# KiCad board Scan_Head_Set-Relay_board_19.01.2023_Comp.kicad_pcb (continued)
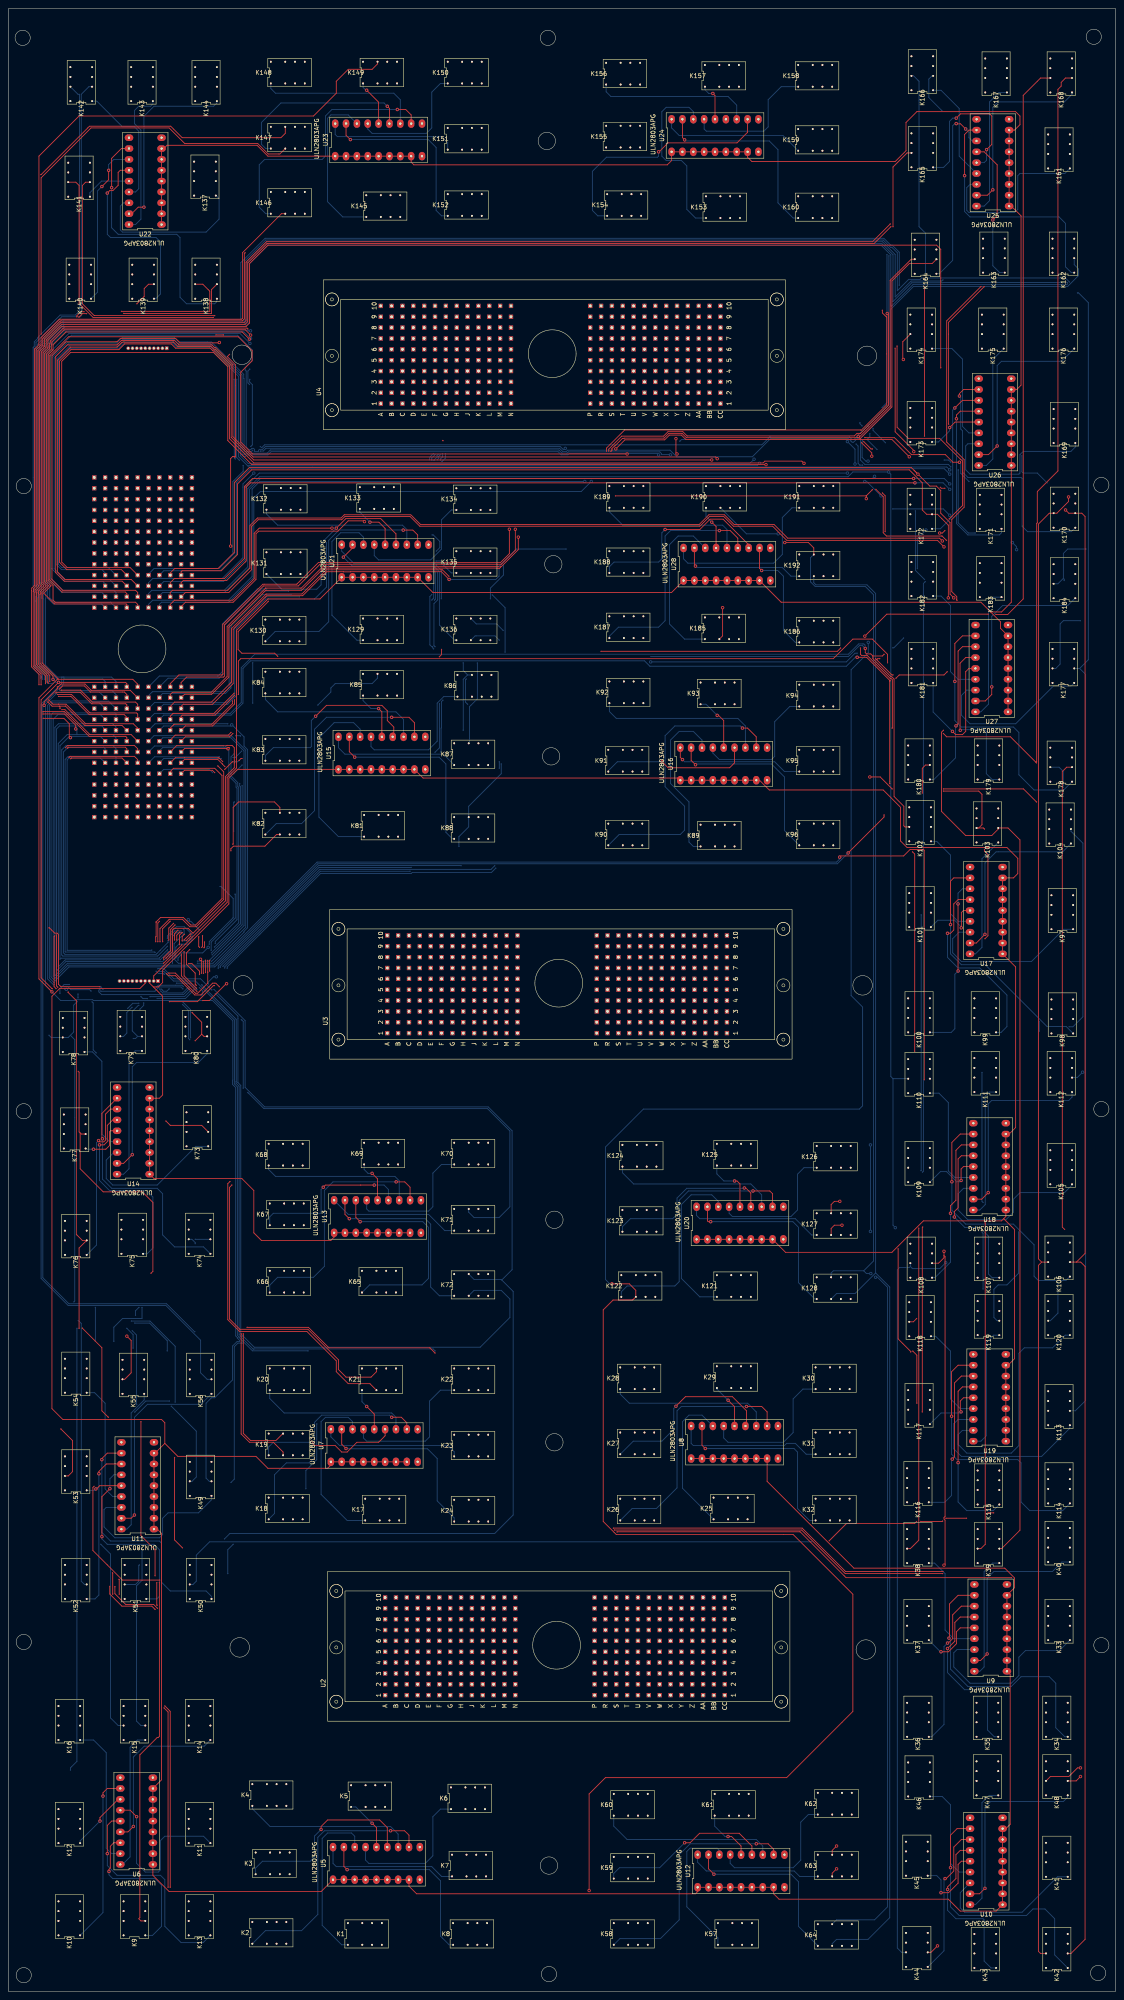
[diagram p0: board, top side]
## Routing (per net, layer and track width the routed paths; a pad name or vN(x,y) marks a point on that pad's centre or on a via; arc(x,y) is an arc through that point) (continued)
IO2: length 450.8
  +12V w0.2: v3(52.24,296.42) 52.54,296.72 52.54,301.24 51.99,301.79 51.99,311.83 52.83,312.67 52.83,378.97 42.16,389.64 32.51,389.64 30.99,391.16 30.99,445.01 30.23,445.77 K143.21
  AGND w0.2: v2(35.63,234.13) 31.82,230.31 v2(28.89,230.31) ; v2(20.32,160.08) 22.86,162.62 22.86,221.74 24.64,223.52 K79.21 ; v2(20.32,152.15) 20.32,139.95 15.75,135.38 15.75,110.49 v2(21.59,104.65) ; v2(42.21,235.14) 42.21,235.25 44.2,237.24 v2(44.2,240.63)
  Bottom w0.2: U1.U4 36.32,296.16 52.07,296.16 52.32,296.42 ; v2(28.89,230.31) 27.69,229.11 27.69,224.28 26.92,223.52 K79.21 ; v2(42.21,235.14) 42.15,235.14 41.81,234.79 41.81,234.73 40.75,233.68 36.08,233.68 v2(35.63,234.13) ; v3(52.24,296.42) 52.32,296.42 ; 52.32,296.42 55.12,293.62 55.12,291.45 55.92,290.65 55.92,248.9 55.12,248.1 55.12,247.9 47.84,240.63 v2(44.2,240.63) ; v2(21.59,104.65) 23.88,102.37 23.88,64.01 25.65,62.23 K15.21 ; v2(20.32,152.15) v2(20.32,160.08)
IO3: length 443.8
  Top w0.2: v4(42.68,247.47) 42.49,247.47 41.11,246.1 v4(41.11,246.08) ; U1.U3 37.85,295.66 38.75,296.56 47.59,296.56 52.44,301.42 v4(52.44,302.01) ; v4(25.91,92.96) 25.91,96.39 v4(25.84,96.46) ; v4(42.98,229.11) 42.98,229.05 45.21,226.82 45.21,224.03 ; 45.21,224.03 45.72,223.52 K80.11 ; 45.21,224.03 v4(43.69,222.5)
  +12V w0.2: v1(52.74,302.8) 52.44,302.5 v4(52.44,302.01) 52.7,301.75 52.6,301.75 52.94,301.41 52.94,296.71 52.94,296.13 52.82,296.01 52.94,295.88 52.94,294.96 52.75,294.76 52.94,294.57 52.94,294.2 52.84,294.1 52.84,293.87 52.81,293.84 52.81,291.65 52.86,291.6 52.86,290.21 51.98,289.33 51.96,289.33 51.96,286.24 52.13,286.24 52.86,285.51 52.86,284.47 52.39,284 52.39,269.95 52.84,269.5 52.84,269.27 52.94,269.17 52.94,268.8 52.87,268.73 52.94,268.66 52.94,268.29 52.89,268.24 52.89,257.22 43.12,247.45 43.1,247.47 v4(42.68,247.47) ; K16.11 17.27,62.23 20.07,65.02 20.07,82.3 25.91,88.14 v4(25.91,92.96) ; v4(41.11,246.08) 41.11,245.78 42.98,243.91 v4(42.98,229.11) ; v4(25.84,96.46) 25.91,96.52 25.91,101.35 30.99,106.43 30.99,109.57 30.23,110.33 30.23,165.61 38.35,173.74 38.35,220.73 40.13,222.5 v4(43.69,222.5) ; K144.11 46.99,443.99 46.99,387.83 48.63,386.19 49.04,386.6 49.63,386.6 50.07,386.17 50.07,383.57 54.25,379.39 54.25,361.68 v1(54.55,361.38)
  AGND w0.2: v1(54.55,361.38) 54.93,360.99 54.57,360.64 54.57,358.1 54.29,357.82 54.29,354.98 54.69,354.57 54.69,353.87 54.83,353.73 54.83,343.63 54.29,343.09 54.29,333.06 55.11,332.23 55.11,331.9 54.88,331.67 54.81,331.67 54.55,331.4 54.55,331.03 54.81,330.77 55.18,330.77 55.45,331.03 55.45,331.1 56.9,332.55 56.9,325.86 51.23,320.2 51.23,319.86 51.18,319.81 51.18,319.43 51.44,319.17 51.82,319.17 52.08,319.43 52.08,319.81 52.03,319.86 52.03,319.87 52.32,320.16 52.32,303.77 52.89,303.21 52.89,302.95 v1(52.74,302.8)
IO4: length 431.9
  Top w0.2: v4(24.32,97.98) 24.38,97.92 v4(24.38,92.96) ; U1.U2 41.4,296.16 47.75,296.16 52.89,301.3 v4(52.89,302.26) ; v4(41.59,245.94) 42.63,246.97 v4(42.63,246.98)
  +12V w0.2: v4(52.89,302.26) 52.89,302.32 53.21,302.64 ; 53.21,302.64 53.34,302.77 v1(53.34,303.02) ; 53.21,302.64 54.46,301.39 54.46,289.5 54.36,289.39 54.29,289.39 53.79,288.9 53.79,257.55 43.21,246.98 v4(42.63,246.98) ; v4(24.32,97.98) 24.32,101.03 29.97,106.68 28.73,107.92 28.73,165.38 37.34,173.99 37.34,222 38.86,223.52 K80.21 42.42,223.52 43.43,224.54 43.43,244.09 v4(41.59,245.94) ; v1(52.85,311.85) 52.91,311.85 53.34,312.28 53.34,379.16 48.94,383.57 48.94,385.31 46.48,387.77 46.48,442.98 K144.21 ; v4(24.38,92.96) 24.38,87.63 23.62,86.87 17.53,86.87 13.46,82.8 13.46,63.25 12.45,62.23 K16.21
  AGND w0.2: v1(53.34,303.02) 53.34,311.36 v1(52.85,311.85)
IO5: length 463.7
  Top w0.2: K9.11 30.99,16.51 30.48,17.02 30.73,17.27 30.73,55.37 34.8,59.44 35.05,59.44 35.31,59.69 v4(35.31,95.76) ; v1(52.49,294.39) 51.73,293.62 41.4,293.62 U1.V2 ; v4(40.7,103.82) 38.86,105.66 v4(38.86,124.97) ; v4(36.83,203.71) 37.85,202.69 45.21,202.69 K73.11
  +12V w0.2: v1(50.52,383.76) 50.52,383.76 50.55,383.79 50.55,386.33 49.88,387 48.68,387 48.53,386.86 47.5,387.89 47.5,423.16 48.01,423.67 K137.11 ; v1(54.9,361.73) 54.9,378.51 v1(54.7,378.71) ; v1(38.1,234.19) 38.1,223.77 36.83,222.5 v4(36.83,203.71) ; v4(40.7,103.82) 34.8,97.92 34.8,96.2 35.24,95.76 v4(35.31,95.76) ; v1(52.49,294.39) 52.44,294.34 52.44,294.03 52.41,294.01 52.41,291.49 52.46,291.44 52.46,290.37 51.82,289.73 51.56,289.73 51.56,285.87 51.59,285.84 51.97,285.84 52.46,285.34 52.46,284.64 51.99,284.16 51.99,269.79 52.44,269.34 52.44,269.04 v1(52.49,268.99) ; v4(38.86,124.97) 38.86,193.55 46.48,201.17 K73.11
  AGND w0.2: v1(54.9,361.73) 54.8,361.83 54.36,361.83 54.1,361.57 54.1,361.19 54.33,360.96 54.17,360.8 54.17,358.78 53.85,358.78 53.49,358.41 53.49,330.96 54.48,329.97 55.51,329.97 56.1,330.55 56.1,326.19 50.38,320.48 50.38,319.1 51.47,318.01 51.52,318.01 51.52,302.81 52.18,302.16 52.18,298.11 51.19,297.12 51.12,297.12 50.86,296.86 50.86,296.02 v1(52.49,294.39) ; v2(40.89,248.64) 43.04,248.64 52.74,258.35 52.74,268.82 52.58,268.99 v1(52.49,268.99) ; v2(40.39,240.63) 40.22,240.63 38.86,239.27 38.86,234.95 v1(38.1,234.19) ; v1(54.7,378.71) 50.52,382.9 v1(50.52,383.76)
  Bottom w0.2: v2(40.39,240.63) 39.75,240.63 38.75,241.62 38.75,245.22 41.09,247.56 41.09,248.45 v2(40.89,248.64)
IO6: length 450.8
  Top w0.2: v4(52.06,294.64) 51.44,294.02 39.01,294.02 37.85,292.86 U1.V3 ; v4(40,244.98) 40,247.19 v4(40.64,247.83)
  +12V w0.2: v4(40.64,247.83) 40.64,247.78 41.67,248.81 42.78,248.81 51.64,257.67 51.64,266.72 51.59,266.77 51.59,267.14 51.85,267.4 52.06,267.4 52.06,268.27 52.04,268.29 52.04,268.66 52.06,268.69 52.06,268.78 52.04,268.8 52.04,269.17 51.59,269.62 51.59,284.4 51.73,284.54 51.8,284.54 52.06,284.8 52.06,285.17 51.8,285.44 51.43,285.44 51.3,285.57 51.05,285.57 51.05,290.15 51.07,290.13 51.65,290.13 52.06,290.54 52.06,291.27 52.01,291.32 52.01,294.17 52.04,294.2 52.04,294.62 v4(52.06,294.64) 52.54,295.12 52.54,295.72 51.95,295.72 51.54,296.13 51.54,298.11 v1(51.6,298.16) ; v1(38.61,224.03) 38.61,226.35 42.13,229.87 42.58,229.87 42.58,242.91 41.69,243.8 41.06,243.8 40,244.86 v4(40,244.98) ; v1(29.71,132.08) 29.71,165.66 37.9,173.85 v1(37.9,195.83) ; v1(48.37,384.8) 48.3,384.8 45.47,387.64 45.47,423.16 44.96,423.67 K137.21
  AGND w0.2: 39.37,201.17 37.9,199.7 v1(37.9,195.83) ; 39.37,201.17 38.61,201.93 v1(38.61,224.03) ; 39.37,201.17 K73.21 ; v1(29.71,132.08) 28.7,131.07 28.7,111.25 29.27,110.68 29.27,40.07 29.91,39.43 29.91,19.5 K9.21 ; v1(51.6,298.16) 51.78,298.34 51.78,301.99 51.12,302.65 51.12,317.75 49.98,318.9 49.98,320.64 53.09,323.75 v2(53.09,358.65) ; v2(52.83,377.29) 52.83,378.97 48.04,383.76 48.04,384.46 v1(48.37,384.8)
  Bottom w0.2: v2(53.09,358.65) 52.83,358.9 v2(52.83,377.29)
IO7: length 540.9
  Top w0.2: v4(9.46,248.92) 9.56,248.92 10.81,247.67 11.38,247.67 11.68,247.36 11.68,235.71 12.25,235.15 v4(21.34,235.15)
  +12V w0.2: 20.07,231.39 20.07,225.55 ; 20.07,231.39 20.07,231.65 21.34,232.92 v4(21.34,235.15) ; 20.07,231.39 v1(20.07,231.59) ; 20.07,225.55 K78.11 ; 20.07,225.55 21.34,224.28 v1(34.04,224.28) ; v4(9.46,248.92) 9.51,248.97 9.51,298.96 9.36,298.96 7.62,300.7 7.62,301.28 8.05,301.71 v1(8.12,301.71)
  AGND w0.2: v1(20.07,231.59) 20.12,231.54 20.47,231.54 21.59,232.66 v2(21.59,234.13) ; v1(34.04,224.28) 38.23,224.28 38.42,224.48 41.97,224.48 44.15,222.29 44.15,64.56 46.48,62.23 K14.11 ; v2(7.98,307.09) 7.98,301.85 v1(8.12,301.71) ; v2(44.2,241.13) 44.06,241.13 43.66,240.73 43.66,237.26 41.03,234.64 v2(40.79,234.64)
  Bottom w0.2: U1.V4 36.11,293.41 52.03,293.41 55.12,290.32 55.12,249.43 46.82,241.13 v2(44.2,241.13) ; v2(40.79,234.64) 40.34,235.09 35.26,235.09 34.26,234.08 21.64,234.08 v2(21.59,234.13) ; v2(7.98,307.09) 7.98,308.21 7.98,308.21 6.4,309.79 6.4,325.43 6.42,325.44 6.42,326.4 6.53,326.51 6.53,328.8 6.16,329.17 6.16,384.57 6.42,384.83 6.42,385.9 12.45,391.92 16.76,391.92 17.02,392.18 17.02,443.99 18.8,445.77 K142.11
IO8: length 539.7
  Top w0.2: v4(23.69,94.81) 23.69,93.03 26.54,90.17 33.53,90.17 v4(34.29,89.41)
  +12V w0.2: v1(17.34,154.75) 22.56,149.53 22.56,95.93 v4(23.69,94.81) ; v1(9.47,231.14) 9.47,232.4 ; 9.46,232.41 9.46,233.08 9.06,233.48 9.06,234.72 9.51,235.16 9.51,237.89 v1(7.87,239.52) ; K14.21 39.88,62.23 34.86,67.25 34.86,88.84 v4(34.29,89.41)
  AGND w0.2: v1(7.87,239.52) 7.87,239.53 7.87,263.91 7.92,263.95 7.92,300.23 7.53,300.62 v2(7.53,307.35) ; v2(42.26,234.6) 42.33,234.6 47.5,239.78 v2(47.5,241.07) ; v1(17.34,154.75) 15.3,156.79 v2(15.3,161.39) ; v2(16.05,231.64) 19,234.59 v2(21.4,234.59) ; v2(9.47,223.77) v1(9.47,231.14)
  Bottom w0.2: v2(16.05,231.64) 15.24,230.83 15.24,224.54 14.48,223.77 ; 14.48,223.77 13.97,223.27 K78.21 9.98,223.27 v2(9.47,223.77) ; 14.48,223.77 15.49,222.76 15.49,161.58 v2(15.3,161.39) ; v2(47.5,241.07) 47.5,241.05 55.52,249.07 55.52,290.49 52.13,293.88 34.04,293.88 U1.V5 ; v2(7.53,307.35) 7.58,307.4 7.58,307.85 6,309.43 6,328.58 6.09,328.67 5.76,329 5.76,384.74 6.02,385 6.02,386.06 6.86,386.9 6.86,387.1 12.08,392.32 15.64,392.32 16.62,393.3 16.62,443.99 16.26,443.99 K142.21 ; v2(42.26,234.6) 40.93,233.28 21.8,233.28 21.14,233.94 21.14,234.33 v2(21.4,234.59)
IO9: length 527.1
  Top w0.2: K141.11 18.03,423.42 17.27,422.66 17.27,394.97 20.07,392.18 20.13,392.24 48.2,392.24 v4(48.26,392.18) ; v4(37.84,24.38) 37.84,65.56 v4(36.58,66.82) ; v4(33.34,168.08) 33.78,168.53 33.78,184.66 31.31,187.13 22.16,187.13 16.76,192.53 16.76,200.91 ; v4(51.72,383.12) 51.2,382.61 53.09,380.72 53.09,359.1 52.9,359.1 ; 16.76,200.91 16.51,201.17 16.51,215.14 v4(16.32,215.33) ; 16.76,200.91 17.02,200.66 K77.11 ; v4(34.29,97.28) 34.29,103.38 30.99,106.68 v4(30.99,133.35) ; v4(34.69,95.66) 34.69,90.46 v4(34.78,90.38) ; v6(51.99,338.25) 51.99,358.75 52.47,359.23 52.8,359.23 52.92,359.12
  +12V w0.2: v4(37.84,24.38) 37.84,19.57 39.88,17.53 46.23,17.53 K13.11 ; v1(16.09,232.32) 16.32,232.09 v4(16.32,215.33) ; v4(34.78,90.38) 35.71,89.45 35.71,67.69 v4(36.58,66.82) ; v4(48.26,392.18) 48.4,392.05 48.4,388.48 48.77,388.11 50.08,388.11 50.11,388.14 50.52,388.14 51.37,387.29 51.37,383.47 v4(51.72,383.12) ; v1(13.34,249.19) 13.82,248.7 39.34,248.7 40.76,250.13 42.4,250.13 50.29,258.02 50.29,284.48 50.93,285.12 v1(51.11,285.12) ; v4(33.34,168.08) 30.63,165.37 30.63,133.71 v4(30.99,133.35) ; v4(34.29,97.28) 34.29,96.07 v4(34.69,95.66)
  AGND w0.2: v1(16.09,232.32) 16.26,232.48 v2(16.26,232.54) ; v1(13.34,249.19) 10.05,245.9 10.05,239.12 13.97,235.2 14.48,235.2 v2(16.26,233.43) ; v1(51.11,285.12) 51.11,286.51 52.07,287.47 52.07,289.05 50.29,290.84 v2(50.29,291.53) 50.06,291.76 50.06,297.95 50.98,298.87 50.98,301.33 50.06,302.25 50.06,317.52 50.14,317.6 49.18,318.57 49.18,321.16 52.29,324.27 52.29,336.43 52.04,336.67 52.04,337.04 51.99,337.1 v6(51.99,338.25)
  Bottom w0.2: U1.W5 34.18,291.48 50.29,291.48 50.29,291.53 v2(50.29,291.53) ; v2(16.26,233.43) v2(16.26,232.54)
IO10: length 512.1
  Top w0.2: K141.21 15.75,423.42 16.51,422.66 16.51,395.05 19.81,391.74 47.9,391.74 v4(47.95,391.79) ; v4(34.86,89.66) 33.95,90.57 27.42,90.57 24.89,93.1 v4(24.89,94.74) ; v4(36.39,66.36) 37.34,65.41 v4(37.34,24.38) ; v4(17.26,155.24) 21.84,150.66 21.84,135.89 v4(23.37,134.37) ; v4(48.56,387.69) v4(50.29,387.69)
  +12V w0.2: 14.22,200.66 15.49,199.39 15.49,156.97 17.22,155.24 v4(17.26,155.24) ; 14.22,200.66 14.99,201.42 14.99,213.36 19.81,218.19 30.42,218.19 v1(30.93,218.69) ; 14.22,200.66 K77.21 ; v4(50.29,387.69) 50.97,387.02 50.97,383.24 54.77,379.44 v1(54.77,379.28) ; v4(24.89,94.74) 23.02,96.61 23.02,134.02 v4(23.37,134.37) ; v4(47.95,391.79) 47.95,388.3 v4(48.56,387.69) ; v4(36.39,66.36) 35.31,67.44 35.31,89.21 v4(34.86,89.66) ; K13.21 41.91,16.76 39.88,16.76 37.34,19.3 v4(37.34,24.38)
  AGND w0.2: v2(50.78,291.31) 52,292.52 52,294.31 50.46,295.85 50.46,297.78 51.38,298.7 51.38,301.5 50.46,302.42 50.46,317.32 50.72,317.59 49.58,318.73 49.58,321 52.69,324.1 52.69,336.66 v2(52.49,336.86) ; v2(34.8,232.37) 34.44,232.37 32.26,230.19 32.26,219.71 31.24,218.69 v1(30.93,218.69) ; v1(54.77,379.28) 56.48,377.57 v2(56.48,377.29) ; v2(54.92,357.12) 54.97,357.12 54.97,360.47 56.08,361.57 v2(56.7,361.57) ; v2(48.39,245.24) 48.38,245.23 48.38,244.86 48.81,244.43 48.81,239.82 43.5,234.51 v2(43.43,234.51)
  Bottom w0.2: v2(54.92,357.12) 54.92,355.77 52.49,353.34 v2(52.49,336.86) ; v2(56.7,361.57) 57.06,361.93 57.06,376.05 56.43,376.68 56.43,377.24 v2(56.48,377.29) ; U1.W4 35.31,290.32 36.07,291.08 50.56,291.08 v2(50.78,291.31) 51.56,290.53 51.56,284.42 53.25,282.73 53.25,281.84 53.47,281.63 53.47,250.83 48.39,245.74 v2(48.39,245.24) ; v2(34.8,232.37) 41.39,232.37 43.43,234.41 v2(43.43,234.51)
IO11: length 431.8
  Top w0.2: v4(30.03,394.97) 31.75,396.69 31.75,398.53 32.77,399.54 K139.11 ; U1.W3 39.31,291.53 51.11,291.53 v4(51.16,291.59) 52.32,291.59 52.83,291.08 52.83,288.08 52.94,287.97 52.94,287.6 52.83,287.49 52.83,286.37 50.76,284.3 50.76,255.23 43.18,247.65 42.03,248.8 38.75,248.8 38.35,248.41 38.35,243.33 v4(36.83,241.81)
  +12V w0.2: v4(36.83,241.81) 38.31,241.81 40.03,240.09 v1(40.57,240.09) ; v4(51.16,291.59) 51.21,291.64 51.21,295.15 50.74,295.62 50.74,379.93 41.83,388.84 32.04,388.84 30.03,390.85 v4(30.03,394.97)
  AGND w0.2: v2(40.91,235.16) 43.26,237.51 43.26,240.54 41.02,240.54 v1(40.57,240.09) ; v2(31.63,231.33) 31.63,231.5 v2(32.48,232.35) ; K11.11 45.97,38.1 43.69,40.39 43.69,64.52 43.75,64.58 43.75,135.83 39.12,140.46 39.12,150.37 30.06,159.43 30.06,174.58 K75.11 30.48,177.04 30.48,229.61 v2(30.73,229.87) ; v2(30.99,232.83) 31.58,233.43 33.53,233.43 33.53,233.99 v2(34.62,235.08)
  Bottom w0.2: v2(32.48,232.35) 31.47,232.35 v2(30.99,232.83) ; v2(34.62,235.08) 35.03,235.49 40.58,235.49 v2(40.91,235.16) ; v2(31.63,231.33) 31.63,230.77 v2(30.73,229.87)
IO12: length 418.6
  Top w0.2: v6(51.36,290.83) 51.36,290.83 v4(51.61,291.08) 51.56,291.08 51.35,290.87 41.19,290.87 U1.W2
  +12V w0.2: K139.21 29.72,399.54 30.48,398.78 30.48,391.1 32.35,389.24 42,389.24 51.14,380.09 51.14,295.96 51.61,295.49 v4(51.61,291.08)
  AGND w0.2: v2(48.2,244.41) 48.2,239.91 42.61,234.32 v2(42.61,234.25) ; v2(52.7,289.56) 52.7,290.2 52.07,290.83 v6(51.36,290.83) ; v2(28.75,156.89) 28.75,174.45 27.18,176.02 26.92,176.02 ; v2(30.48,231.26) 30.48,231.56 31.74,232.82 v2(33.12,232.82) ; v2(39,137.92) 38.95,137.87 38.95,39.79 40.64,38.1 K11.21 ; K75.21 26.92,176.02 ; 26.92,176.02 27.86,176.95 27.86,230.04 v2(27.88,230.06)
  Bottom w0.2: v2(33.12,232.82) 41.18,232.82 v2(42.61,234.25) ; v2(39,137.92) 39,150.99 33.1,156.89 v2(28.75,156.89) ; v2(27.88,230.06) 29.08,231.26 v2(30.48,231.26) ; v2(52.7,289.56) 52.07,288.94 52.07,284.48 53.65,282.9 53.65,282.01 53.87,281.79 53.87,250.09 v2(48.2,244.41)
IO13: length 436.3
  Top w0.2: v4(37.5,246.08) 37.5,248.85 v4(38.61,249.95) ; v4(16.51,155.19) 16.51,173.99 K76.11 17.27,175.77 15.87,177.17 15.87,231.88 13.95,233.79 v4(13.95,233.89) ; v4(50.6,286.67) 50.04,287.24 50.04,287.27 48.98,288.33 41.19,288.33 U1.X2
  +12V w0.2: v4(16.51,155.19) 16.51,154.94 17.15,154.3 17.15,154.3 v1(19.81,151.64) ; v4(38.61,249.95) 38.61,250.05 40.49,251.93 42.16,251.93 49.49,259.26 49.49,285.56 v4(50.6,286.67) 50.65,286.72 50.65,295.14 50.34,295.46 50.34,379.76 41.67,388.44 31.88,388.44 21.59,398.72 20.12,398.72 K140.11 ; v4(13.95,233.89) 14.24,234.17 14.24,234.81 13.33,235.71 11.43,235.71 10.71,236.44 10.71,246.13 37.45,246.13 v4(37.5,246.08)
  AGND w0.2: v1(19.81,151.64) 19.81,140.01 15.35,135.55 15.35,39.73 14.73,39.12 15.75,38.1 K12.11
IO14: length 441.9
  Top w0.2: v4(50.1,287.85) 49.22,288.73 39.05,288.73 U1.X3
  +12V w0.2: v1(14.8,249.97) 37.96,249.97 40.32,252.33 42,252.33 49.09,259.42 49.09,285.73 50.1,286.74 v4(50.1,287.85) 50.25,288 50.25,294.89 49.94,295.21 49.94,379.6 41.5,388.04 26.37,388.04 22.49,391.92 17.02,391.92 16,392.94 16,398.02 14.48,399.54 K140.21
  AGND w0.2: 13.97,175.77 K76.21 ; 13.97,175.77 15.14,176.94 15.14,230.79 12.35,233.58 v2(12.03,233.58) ; 13.97,175.77 14.73,175.01 14.73,156.46 v2(16,155.19) ; K12.21 12.7,38.1 14.48,39.88 v2(14.48,51.82) ; v2(14.25,235.65) 10.45,239.45 10.45,245.66 14.77,249.97 v1(14.8,249.97)
  Bottom w0.2: v2(16,155.19) 16,53.85 14.48,52.32 v2(14.48,51.82) ; v2(12.03,233.58) 12.03,234.66 13.02,235.65 v2(14.25,235.65)
IO15: length 498.6
  Top w0.2: v4(36.07,245.68) 36.07,248.71 v4(37.82,250.47) ; v4(16.48,391.83) 17.3,392.66 v4(18.26,392.66) ; K138.11 47.5,398.27 47.5,392.68 26.99,392.68 v4(26.96,392.72)
  +12V w0.2: v4(37.82,250.47) 37.89,250.47 40.15,252.73 41.66,252.73 48.69,259.76 48.69,285.89 49.65,286.85 49.65,288.41 v8(49.78,288.54) 49.78,294.64 49.54,294.88 49.54,379.43 41.38,387.59 ; v4(36.07,245.68) 35.81,245.42 35.81,240.03 36.32,240.03 36.58,240.28 36.83,240.28 38.35,238.76 38.35,235.97 v1(36.07,233.68) ; 41.38,387.59 26.26,387.59 22.39,391.45 16.92,391.45 16.55,391.83 v4(16.48,391.83) ; 41.38,387.59 41.34,387.64 ; v4(18.26,392.66) 26.9,392.66 v4(26.96,392.72)
  AGND w0.2: v2(29.72,158.24) 29.72,156.59 v2(29.54,156.42) ; v2(37.15,149.92) 37.65,149.42 v2(37.65,138.18) ; v2(30.51,160.08) 30.51,165.63 38.86,173.99 41.87,173.99 43.7,175.83 v2(43.7,176.02) 43.7,222.11 v2(42.61,223.2) ; v2(29.53,135.57) 28.64,135.57 27.94,134.87 27.94,105.92 24.21,102.19 24.21,23.45 17.27,16.51 K10.11 ; v1(36.07,233.68) 38.3,231.45 v2(40.89,231.45)
  Bottom w0.2: v8(49.78,288.54) 36.32,288.54 U1.X4 ; v2(29.54,156.42) 33.01,156.42 37.15,152.28 v2(37.15,149.92) ; v2(40.89,231.45) 42.61,229.74 v2(42.61,223.2) ; v2(43.7,176.02) K74.11 ; v2(37.65,138.18) 32.13,138.18 v2(29.53,135.57) ; v2(29.72,158.24) 29.72,159.29 v2(30.51,160.08)
IO16: length 500.6
  Top w0.2: v4(48.98,286.81) 50.36,285.43 50.36,255.59 43.94,249.17 42.42,249.17 40.67,250.92 37.64,250.92 35.44,248.72 v4(35.44,245.68) ; v4(15.99,391.93) 16,391.94 16,392.18 16.93,393.11 v4(17.66,393.11) ; K138.21 45.47,399.54 47.1,397.91 47.1,393.19 v4(26.42,393.19)
  +12V w0.2: v4(48.98,286.81) 48.98,288.64 v8(49.33,288.99) 49.33,294.44 49.37,294.48 49.14,294.72 49.14,379.27 41.22,387.19 25.96,387.19 22.1,391.05 16.62,391.05 15.99,391.68 v4(15.99,391.93) ; v1(35.61,233.47) 35.61,233.86 37.87,236.12 37.94,236.12 37.94,238.6 36.8,239.75 36.68,239.63 35.65,239.63 35.41,239.86 35.41,245.59 35.5,245.68 v4(35.44,245.68) ; v4(17.66,393.11) 17.75,393.19 v4(26.42,393.19)
  AGND w0.2: v2(42.41,222.74) 43.18,221.97 43.18,176.28 42.93,176.02 K74.21 ; K10.21 12.45,16.51 13.72,17.78 13.72,26.16 23.62,36.07 23.62,102.62 23.02,103.22 23.02,150.53 v2(24.64,152.15) ; v2(31.24,160.08) 31.24,165.61 39.22,173.59 42.27,173.59 v2(43.69,175.01) ; v1(35.61,233.47) 35.61,233.37 38.02,230.96 v2(40.75,230.96)
  Bottom w0.2: K74.21 42.93,176.02 43.69,175.26 v2(43.69,175.01) ; v2(40.75,230.96) 42.16,229.55 42.16,223 v2(42.41,222.74) ; v2(24.64,152.15) 24.64,155.45 26.67,157.48 31.24,157.48 v2(31.24,160.08) ; v8(49.33,288.99) 49.29,288.94 34.18,288.94 U1.X5
IO18: length 638.4
  Top w0.2: v6(51.03,235.84) 50.92,235.84 46.99,231.9 v4(45.47,231.9)
  +12V w0.2: v1(49.28,228.09) v4(45.47,231.9)
  AGND w0.2: v2(49.52,258.6) 51.42,260.5 51.42,281.58 v2(47.75,285.24) ; v2(116.21,313.44) 116.21,287.14 117.6,285.75 117.6,266.45 v2(114.05,262.89) ; v2(46.98,245.05) 47.62,245.69 48.57,245.69 49.53,244.73 49.53,241.3 50.35,240.48 51,240.48 51.05,240.54 51.18,240.42 v2(51.18,239.45) 51.01,239.29 51.01,235.86 v6(51.03,235.84) 50.55,235.35 50.55,232.41 54.49,228.47 v2(54.49,227.46) ; K7.21 107.19,30.99 107.7,30.48 113.79,30.48 116.84,33.53 116.84,48.77 114.3,51.31 51.31,51.31 50.8,50.8 49.53,52.07 49.53,173.32 49.28,173.58 v1(49.28,228.09) ; v2(113.23,326.84) 115.82,329.44 115.82,334.01 114.81,335.03 110.24,335.03 K135.21 ; v2(55.94,210.38) v2(54.93,211.39)
  Bottom w0.2: 58.67,247.29 73,261.62 94.23,261.62 94.49,261.87 113.03,261.87 v2(114.05,262.89) ; 59.03,247.65 51.18,239.79 v2(51.18,239.45) ; v2(49.52,258.6) 49.76,258.6 52.58,255.78 52.58,251.28 46.98,245.68 v2(46.98,245.05) ; K71.21 107.7,182.37 108.97,181.1 114.81,181.1 117.35,183.64 117.35,201.36 112.1,206.61 59.78,206.61 56.01,210.38 v2(55.94,210.38) ; v2(116.21,313.44) 116.21,323.85 v2(113.23,326.84) ; v2(47.75,285.24) 46.99,286 36.32,286 U1.Y4 ; v2(54.49,227.46) 54.61,227.33 54.61,227.33 54.93,227.01 v2(54.93,211.39)
IO19: length 616.4
  Top w0.2: v7(49.34,235.14) 48.51,235.97 47.75,235.97 45,233.21 43.59,233.21 39.09,237.72 37.47,237.72 v4(37,238.19) ; 34.54,250.3 34.54,250.19 ; 34.54,250.3 35.57,251.32 40.93,251.32 42.67,249.57 43.78,249.57 49.96,255.76 49.96,284.56 48.26,286.26 38.61,286.26 37.85,285.5 U1.Y3 ; 34.54,250.3 34.54,250.29 34.54,246.89 34.44,246.79 v4(34.44,245.68)
  +12V w0.2: v4(37,238.19) 37,238.26 36.79,238.47 35.68,238.47 34.44,239.71 v4(34.44,245.68)
  AGND w0.2: v2(50.61,239.52) 50.61,236.4 v7(49.34,235.14) 48.39,234.18 v2(48.39,233.56) ; v2(52.58,104.65) 52.58,118.62 v2(52.07,119.13) ; v2(54.86,153.42) 54.64,153.19 v2(54.64,151.73) ; v2(114.87,316.23) v2(114.87,287.78) ; K8.11 108.71,12.19 115.57,12.19 120.4,17.02 120.4,50.55 116.33,54.61 54.61,54.61 51.31,57.91 v2(51.31,97.79) ; v2(114.87,286.26) 116.19,284.94 116.19,267.12 112.97,263.91 104.65,263.91 102.9,262.16 v2(93.98,262.16)
  Bottom w0.2: 53.69,212.7 54.36,212.03 54.36,153.92 v2(54.86,153.42) 57.51,150.77 110.38,150.77 117.35,157.73 117.35,162.05 115.32,164.08 108.97,164.08 K72.11 ; 53.69,212.7 53.69,228.25 v2(48.39,233.56) ; 53.69,212.7 53.64,212.75 ; v2(51.31,97.79) 51.31,103.38 v2(52.58,104.65) ; v2(93.98,262.16) 72.97,262.16 50.61,239.79 v2(50.61,239.52) ; v2(114.87,316.23) 113.85,317.25 109.22,317.25 K136.11 ; v2(114.87,287.78) v2(114.87,286.26) ; v2(52.07,119.13) 52.83,119.89 52.83,150.88 53.69,151.73 v2(54.64,151.73)
IO20: length 657.9
  Top w0.2: v4(48.24,285.24) 47.7,285.79 41.19,285.79 U1.Y2
  +12V w0.2: v1(37.34,251.21) 38.07,251.21 39.99,253.13 41.49,253.13 48.24,259.88 v4(48.24,285.24) ; v1(50.29,240.03) 50.29,240.78 v3(46.73,244.35)
  AGND w0.2: K8.21 109.47,13.97 114.3,13.97 118.62,18.29 118.62,49.02 115.06,52.58 53.85,52.58 50.55,55.88 v2(50.55,105.92) ; v1(50.29,240.03) 50.28,240.03 v2(50.16,239.91) 50.16,239.14 49.28,238.25 49.33,238.19 49.33,235.76 v2(48.07,234.51) ; v1(37.34,251.21) 37.34,246.6 v2(37.18,246.44) ; v2(115.77,318.52) 115.77,287.09 115.63,286.96 116.99,285.6 116.99,266.65 v2(113.79,263.46)
  Bottom w0.2: v2(50.55,105.92) 51.82,107.19 113.79,107.19 118.11,111.51 118.11,163.83 115.44,166.5 ; v2(48.07,234.51) 55.37,227.21 55.37,211.58 59.94,207.01 112.27,207.01 117.86,201.42 117.86,168.91 115.44,166.5 ; v2(50.16,239.91) 72.86,262.61 112.94,262.61 v2(113.79,263.46) ; K136.21 109.47,320.04 114.24,320.04 v2(115.77,318.52) ; K72.21 108.97,166.62 115.32,166.62 115.44,166.5 ; v3(46.73,244.35) 45.44,243.05 40.23,243.05 39.15,241.97 39.15,241.81 39.15,244.39 39.88,245.11 41.97,245.11 42.94,246.08 42.94,247.38 41.15,249.17 39.31,249.17 37.18,247.04 v2(37.18,246.44)
IO49: length 729.2
  Top w0.2: v4(14.14,288.8) 14.4,289.05 29.46,289.05 30.23,288.29 U1.X6 ; v4(37.65,231.65) 44.2,231.65 47.94,235.39 v4(48.2,235.39)
  +12V w0.2: K151.11 107.19,431.04 112.01,426.21 112.01,411.99 114.55,409.45 202.69,409.45 204.07,408.07 204.07,373.22 195.16,364.31 159.66,364.31 158.66,365.31 128.66,365.31 125.8,362.45 125.8,362.39 125.75,362.44 v1(102.36,362.44) ; v1(26.92,231.59) 26.98,231.65 v4(37.65,231.65) ; 46.55,236.92 47.05,236.41 47.18,236.41 v4(48.2,235.39) ; v4(14.14,288.8) 14.09,288.75 14.09,250.7 14.37,250.42 v1(15.24,250.42)
  AGND w0.2: v2(22.1,234.53) 22.1,232.16 22.71,231.54 26.87,231.54 v1(26.92,231.59) ; v2(107.44,301.24) 108.71,299.97 108.71,288.54 ; v2(107.12,307.15) 107.12,309.44 106.01,310.55 103.97,310.55 v2(99.82,314.71) ; v2(100.37,332.07) 101.12,332.82 101.12,357.86 101.26,357.86 v2(101.45,358.04) ; v2(105.92,263.46) 113.09,263.46 116.59,266.95 116.59,285.24 113.28,288.54 108.71,288.54 ; v2(49.08,239.45) v2(45.24,235.61) ; v2(102.24,359.9) 102.24,362.32 v1(102.36,362.44) ; v2(99.82,149.92) 100.84,148.9 100.84,131.32 106.93,125.22 K23.11 ; K87.11 107.7,287.53 108.71,288.54 ; v2(21.59,235.2) 15.33,235.2 11,239.53 10.93,239.53 10.92,239.54 10.92,245.36 15.49,249.94 15.24,250.19 v1(15.24,250.42)
  Bottom w0.2: v2(102.24,359.9) 102.24,358.84 v2(101.45,358.04) ; v2(99.82,314.71) 99.57,314.96 99.57,324.8 100.44,325.67 100.44,332 v2(100.37,332.07) ; v2(21.59,235.2) 21.59,235.04 v2(22.1,234.53) ; v2(107.44,301.24) 106.93,301.75 106.93,306.96 v2(107.12,307.15) ; v2(99.82,149.92) 99.37,150.37 57.45,150.37 57.4,150.32 57.26,150.32 54.36,153.22 54.36,153.36 53.96,153.76 53.96,211.87 53.24,212.58 53.24,212.91 53.29,212.96 53.29,227.49 45.24,235.54 v2(45.24,235.61) ; v2(49.08,239.45) 49.08,240.03 72.56,263.51 105.87,263.51 v2(105.92,263.46)
IO50: length 703.4
  Top w0.2: v4(99.82,149.41) 98.61,150.62 74.99,150.62 70.19,155.42 v4(55.84,155.42) ; v4(45.2,244.35) 45.41,244.55 v4(45.41,247.08) ; U1.X7 26.56,288.65 14.7,288.65 v4(14.54,288.49) ; v4(139.95,360.48) 139.95,361.19 144.2,365.44 199.46,365.44 199.56,365.34 205.56,371.34 205.56,391.85 205.49,391.92 205.43,391.92 204.52,392.83 v4(204.52,393.45) ; v4(35.31,250.42) 34.94,250.05 v4(34.94,245.68) ; v4(46.58,241.3) 46.62,241.26 v4(46.62,238.55) 46.62,235.98 44.25,233.61 43.76,233.61 39.04,238.33 v4(37.49,238.33)
  +12V w0.2: K151.21 108.46,433.83 113.03,433.83 113.03,412.24 115.32,409.96 203.2,409.96 204.52,408.64 v4(204.52,393.45) ; v4(55.84,155.42) 55.84,229.26 46.62,238.48 v4(46.62,238.55) ; K23.21 105.92,128.52 102.87,128.52 99.82,131.57 v4(99.82,149.41) ; v4(34.94,245.68) 34.94,239.77 35.63,239.08 36.9,239.08 36.9,238.93 v4(37.49,238.33) ; v1(54.67,279.15) 54.67,255.72 54.72,255.67 46.12,247.08 v4(45.41,247.08) ; v4(139.95,360.48) 139.95,359.02 139.31,358.37 138.41,358.37 137.92,357.89 137.33,357.89 137.22,357.78 137.22,357.69 136.91,357.38 136.09,357.38 v1(135.89,357.57) ; v4(46.58,241.3) 46.58,242.66 45.2,244.03 v4(45.2,244.35) ; v4(14.54,288.49) 14.49,288.44 14.49,250.95 14.57,250.87 15.43,250.87 15.88,250.42 v4(35.31,250.42) ; v1(131.53,343.45) 127.85,339.78 121.48,339.78 121.3,339.6 121.3,335.37 114.97,329.04 104.25,329.04 102.3,327.09 v1(102.3,325.94)